# Altium PCB arm_v2.PcbDoc (part 1 of 2)
Units mil, origin at the board's own origin, x right, y up, seen from the top; angles counter-clockwise.
Board outline 3620 x 3150 mil, 4 copper layers (Top Layer, Power, GND, Bottom Layer), stack 38.234 mil thick; 92 components, 78 nets, 377 pads, 130 vias.
Unrouted connection lines stored in the file: 1.
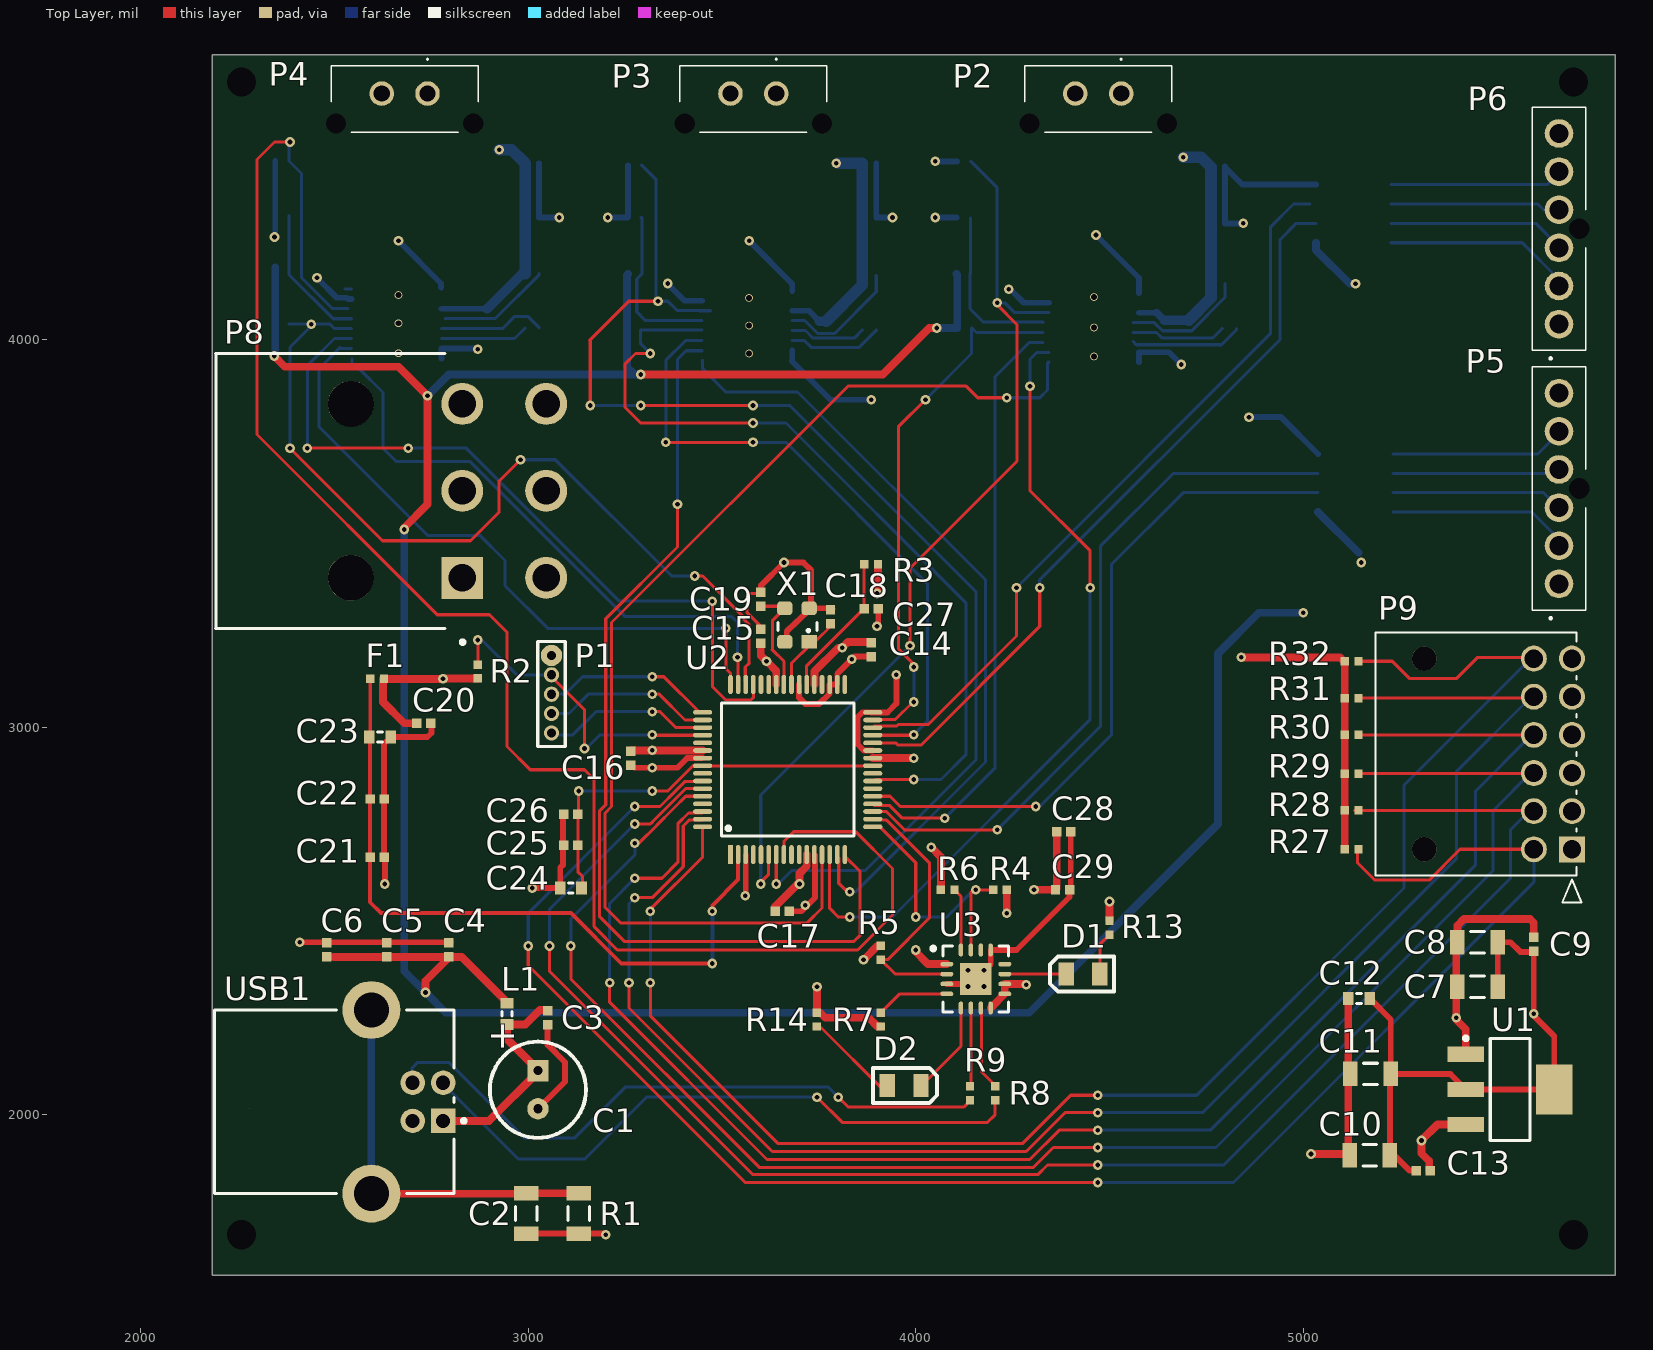
[diagram p0: Top Layer view]
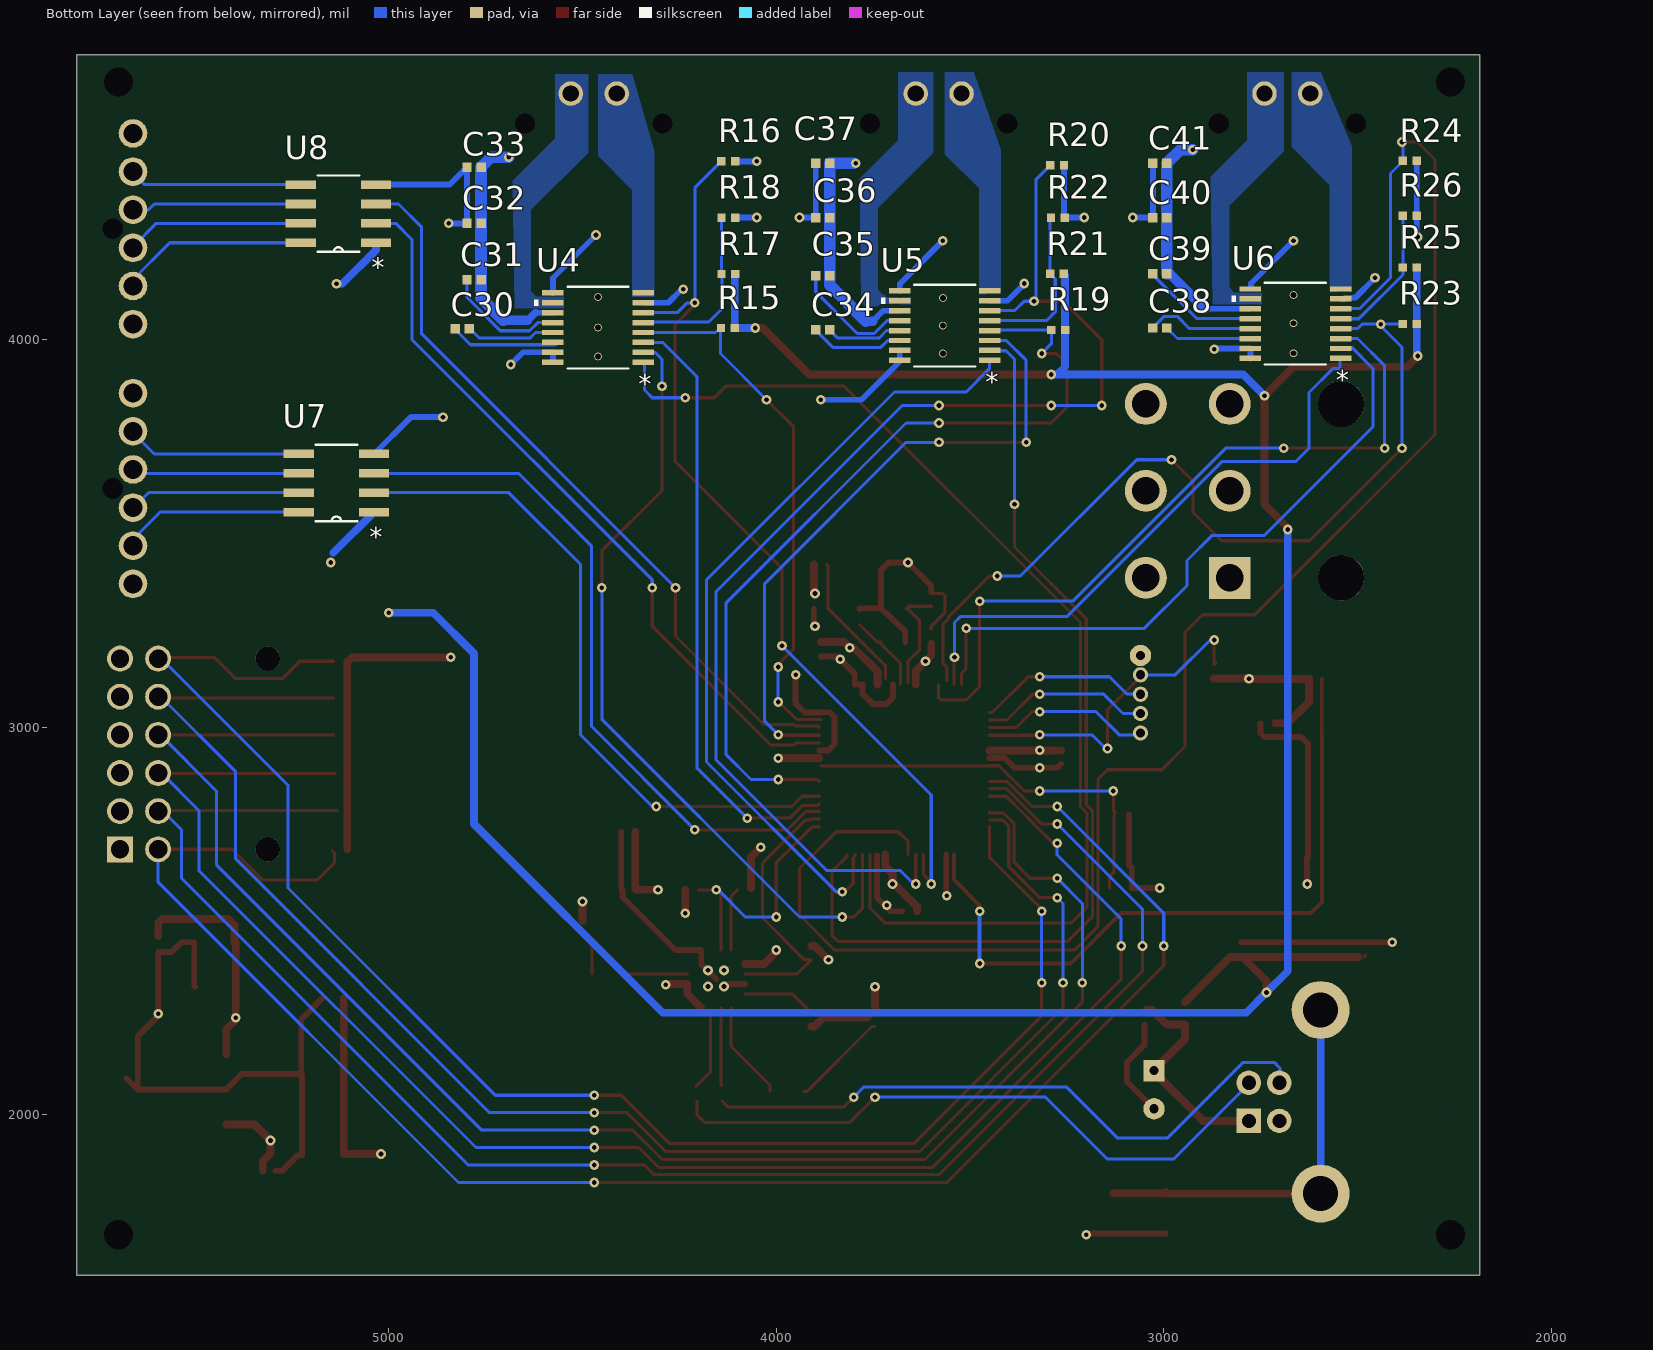
[diagram p1: Bottom Layer view, seen from below]
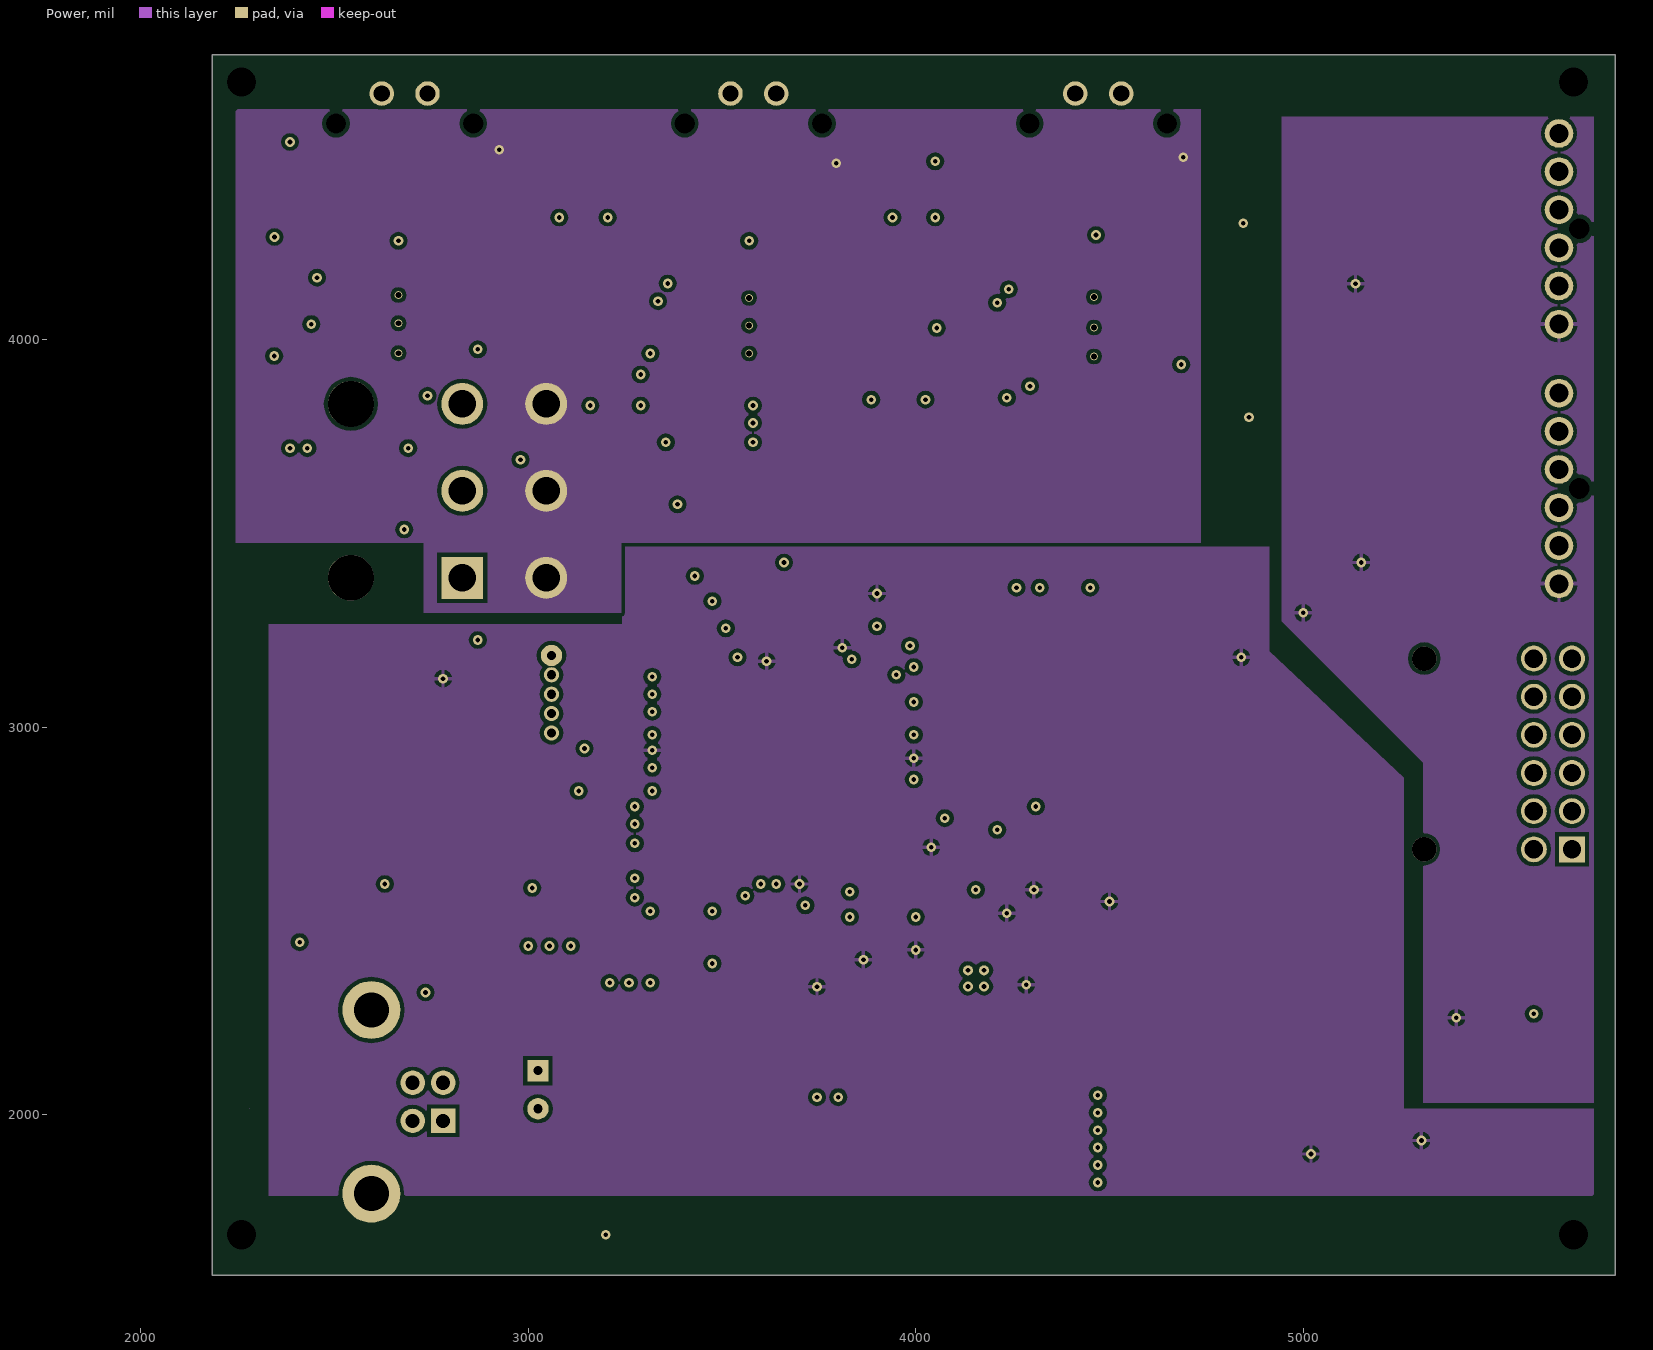
[diagram p2: Power]
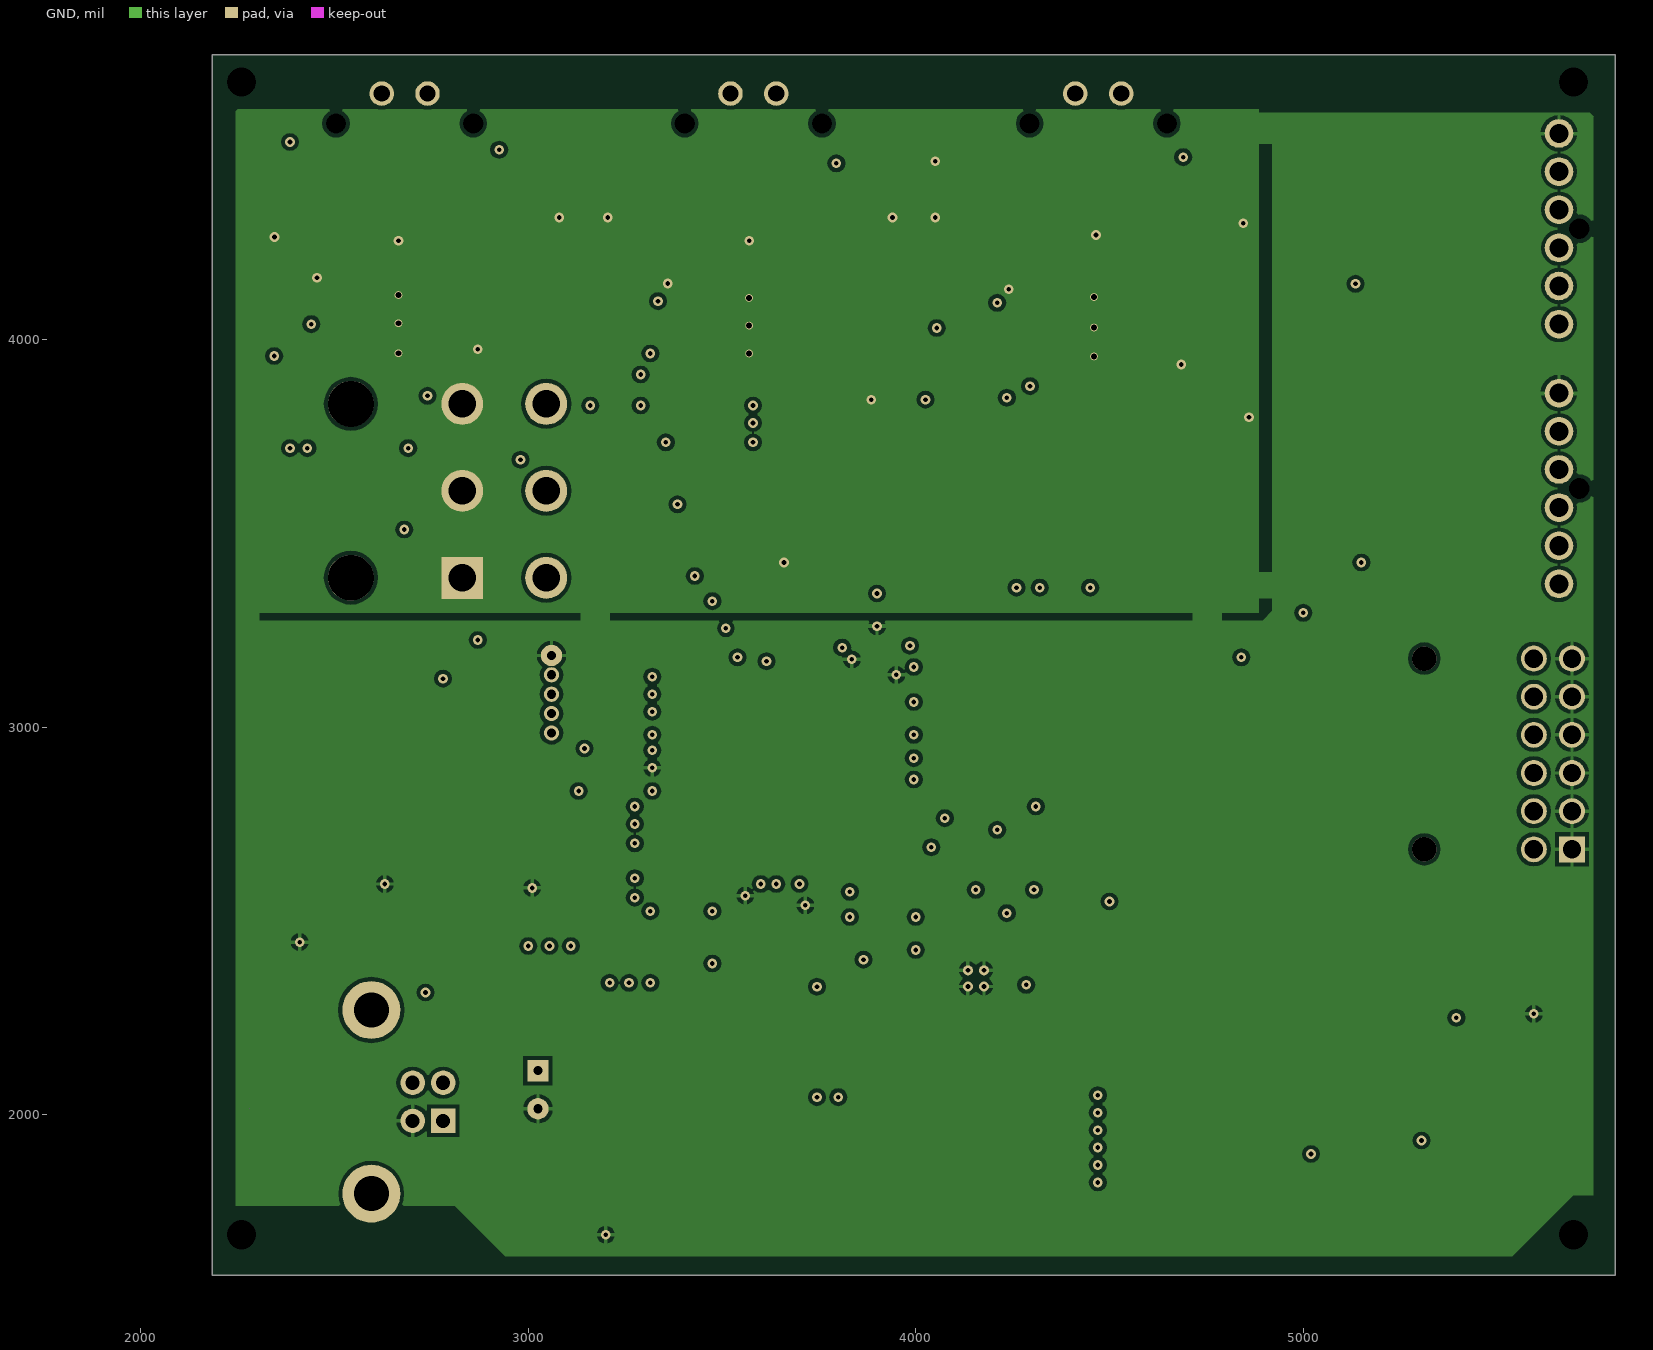
[diagram p3: GND]
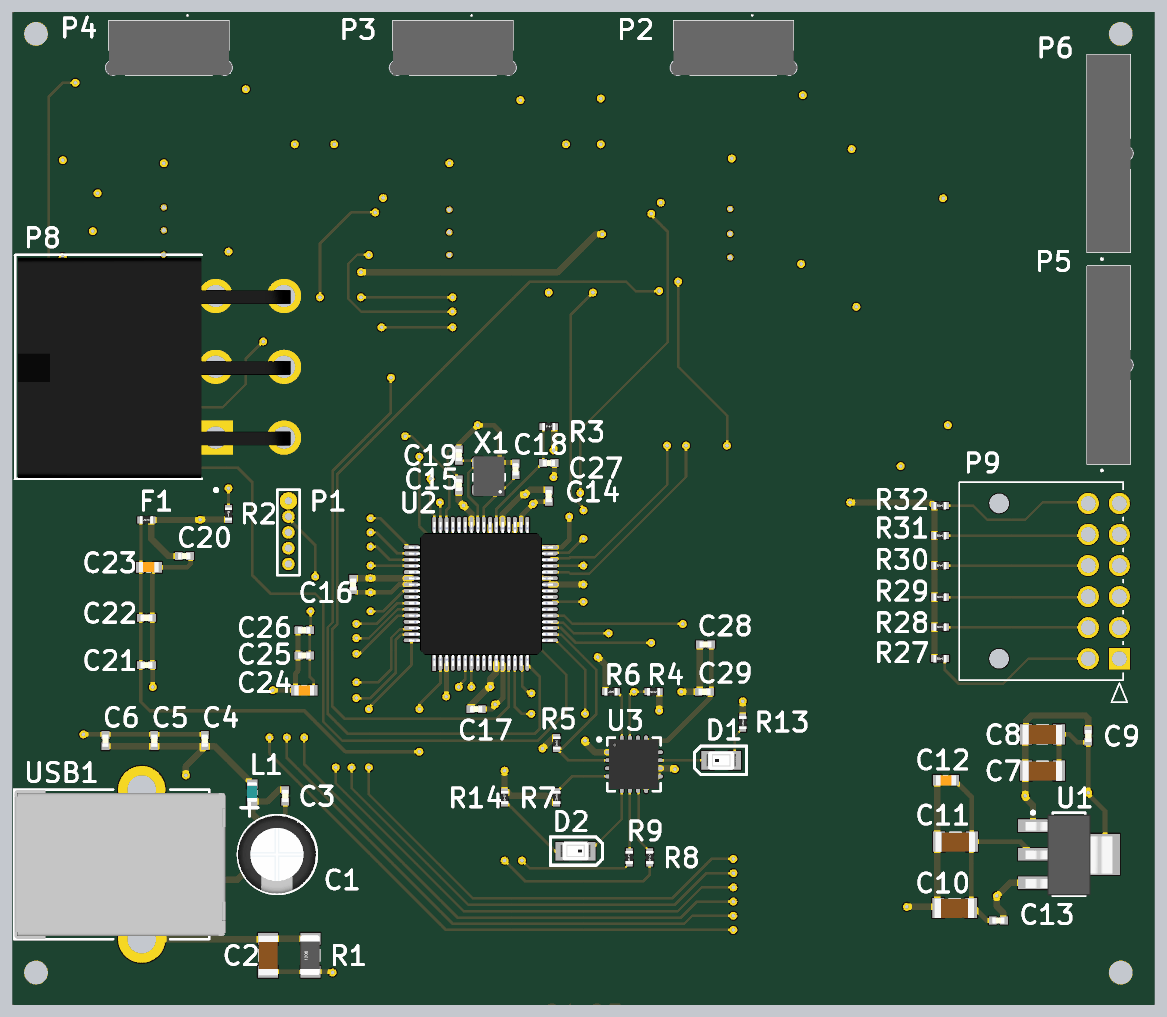
[diagram p5: 3D render of the assembled board from above, using the file's embedded part models]
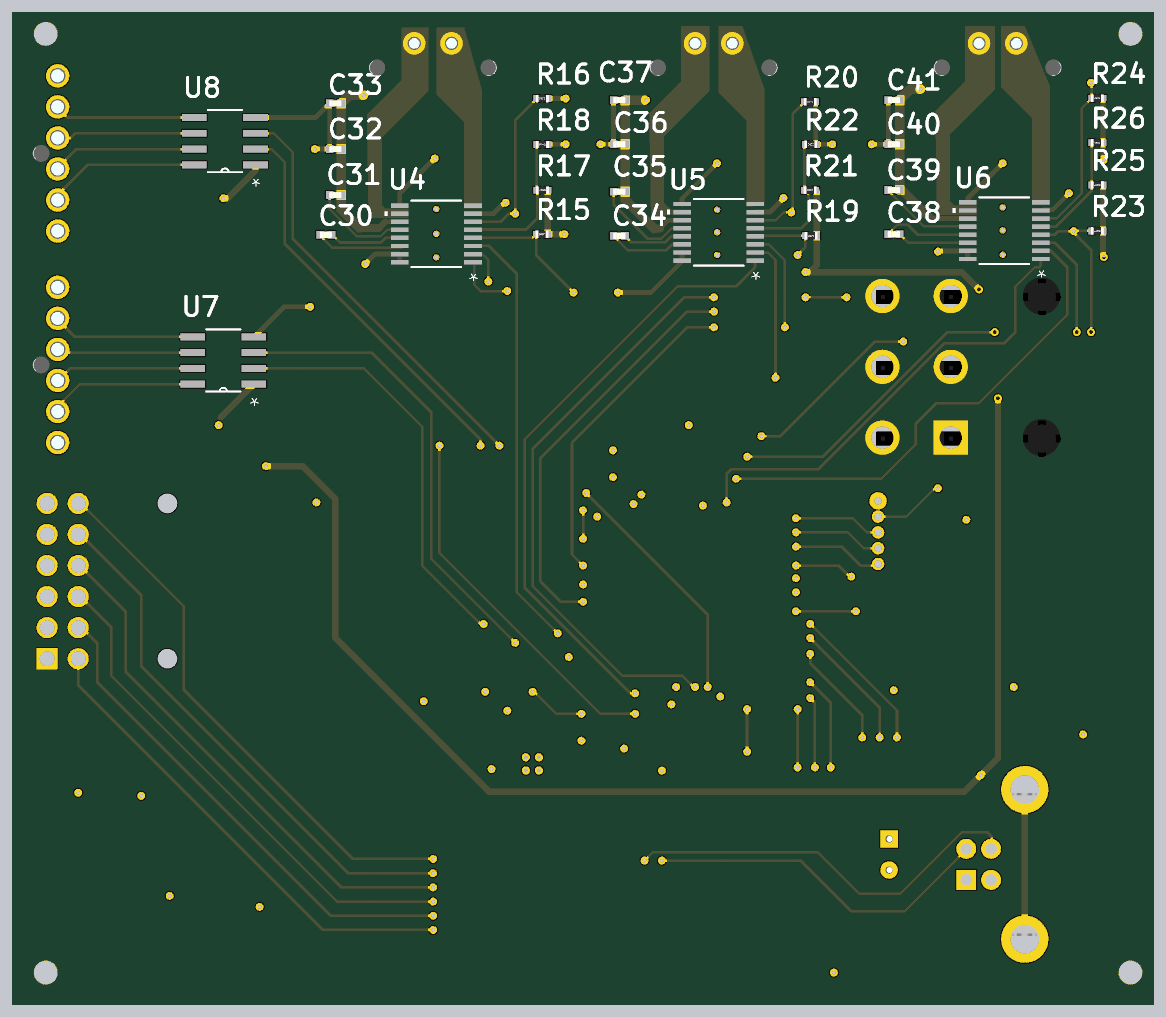
[diagram p6: 3D render of the assembled board from below, using the file's embedded part models]

## Layer stack, top to bottom
Top Solder: solder mask 0.4, Solder Resist, Dk 3.5
Top Layer: signal copper 1.4
Dielectric 2: dielectric 10, Dk 4.2
Power: signal copper 1.417
Dielectric 3: dielectric 10, Dk 4.2
GND: signal copper 1.417
Dielectric 1: dielectric 12.6, FR-4, Dk 4.8
Bottom Layer: signal copper 1.4
Bottom Solder: solder mask 0.4, Solder Resist, Dk 3.5

## Board outline
2185,4735 5805,4735 5805,1585 2185,1585
cut-out: 2280,2015
cut-out: 6615,2430
